# KiCad board rioctrl-controller.kicad_pcb (continued)
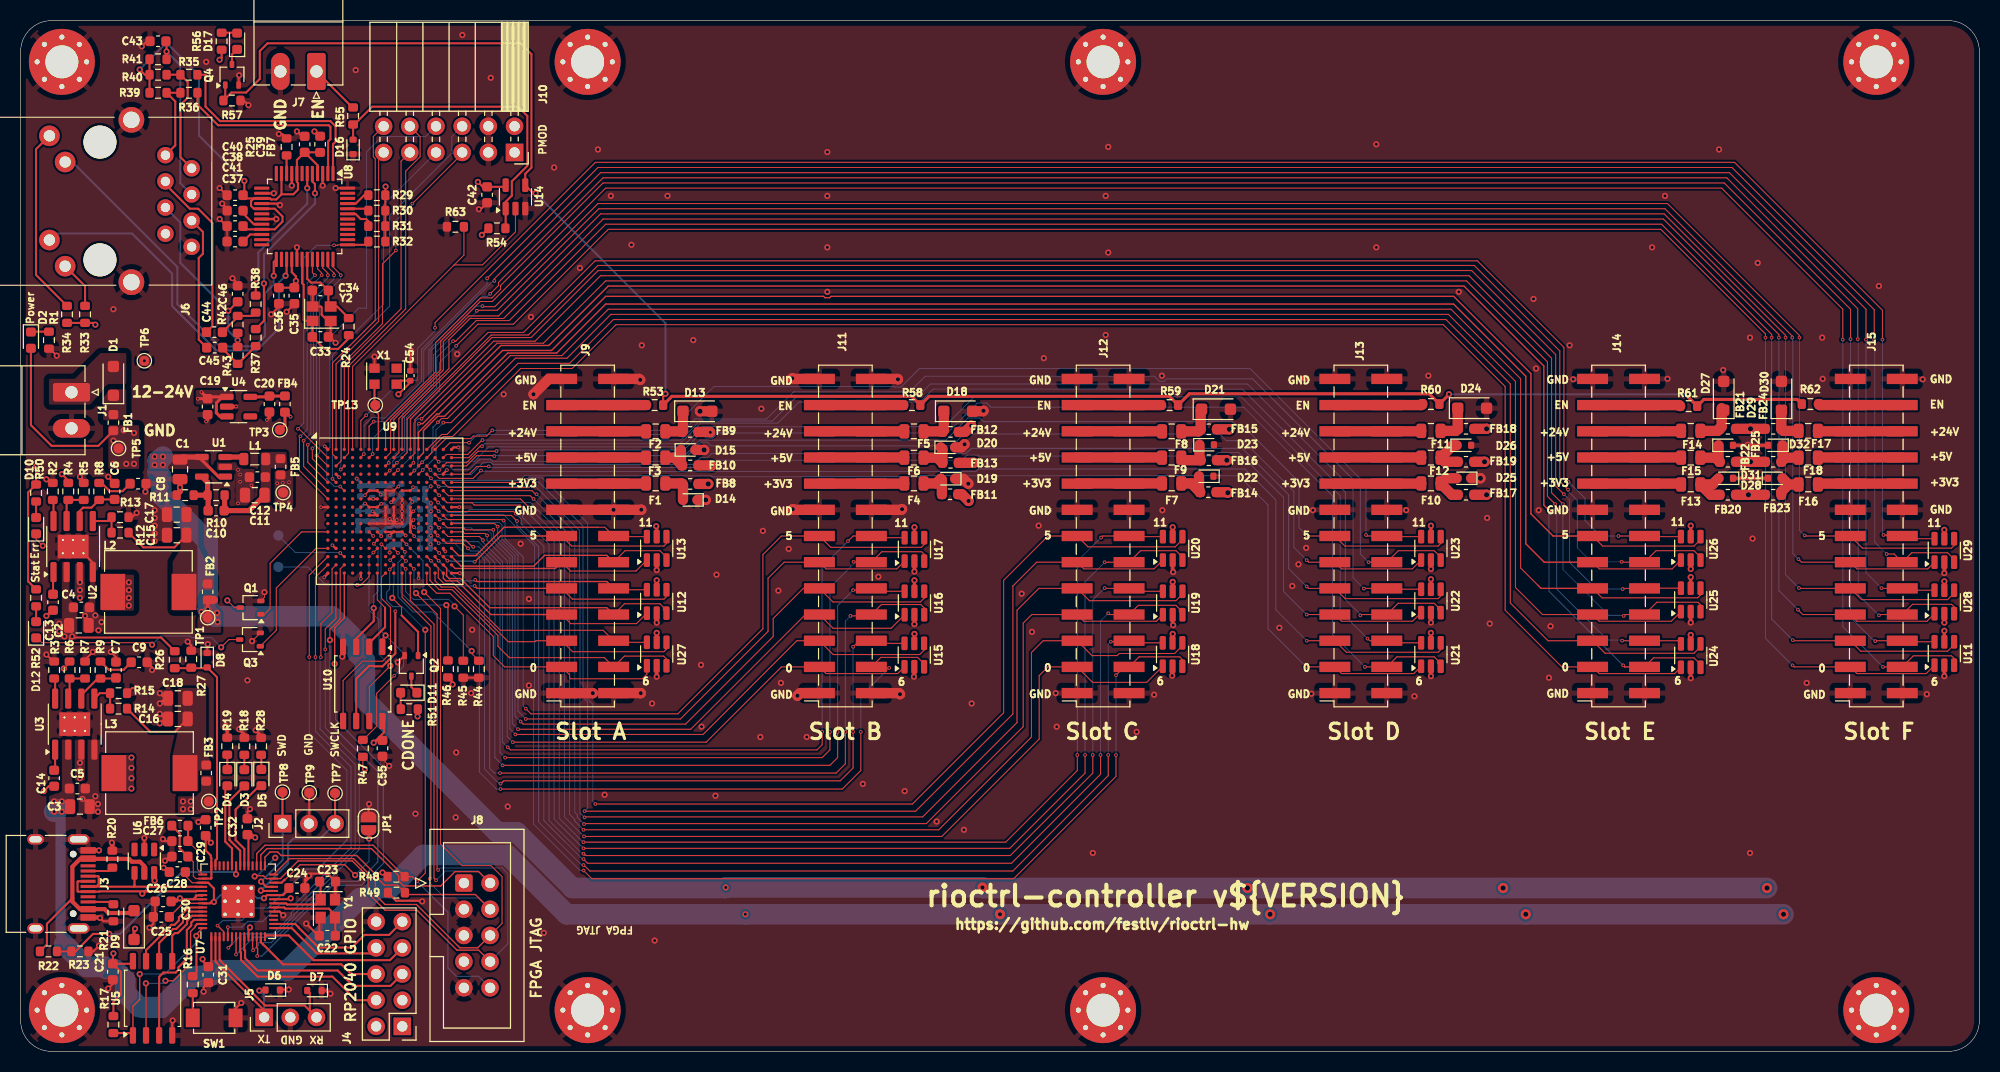
[diagram p0: board, top side]
## Library data of the parts (continued)
R13 = -: Description: Resistor, small symbol; LCSC#: C173754; ki_fp_filters: R_*
R15 = -: Description: Resistor, small symbol; LCSC#: C861839; ki_fp_filters: R_*
R16 R18 R19 R28 = -: Description: Resistor, small symbol; LCSC#: C22548; MPN: RC0603FR-071KL; Manufacturer: Yageo; Notes: 0603 1% resistor; ki_fp_filters: R_*
R17 R47 = -: Description: Resistor, small symbol; Config: DNP; LCSC#: C98220; MPN: RC0603FR-0710KL; Manufacturer: Yageo; Notes: 0603 1% resistor; ki_fp_filters: R_*
R20-R22 R26 = -: Description: Resistor, small symbol; LCSC#: C112314; MPN: RC0603FR-075K11L; Manufacturer: Yageo; ki_fp_filters: R_*
R23 R27 = -: Description: Resistor, small symbol; LCSC#: C98220; MPN: RC0603FR-0710KL; Manufacturer: Yageo; Notes: 0603 1% resistor; ki_fp_filters: R_*
R24 = -: Description: Resistor, small symbol; LCSC#: C107698; ki_fp_filters: R_*
R25 = -: Description: Resistor, small symbol; LCSC#: C22865; ki_fp_filters: R_*
R33 R34 R50-R52 R56 = -: Description: Resistor, small symbol; LCSC#: C105881; ki_fp_filters: R_*
R35-R38 = -: Description: Resistor, small symbol; LCSC#: C95177; ki_fp_filters: R_*
R39 R40 R42 R43 = -: Description: Resistor, small symbol; LCSC#: C114625; ki_fp_filters: R_*
R41 = -: Description: Resistor, small symbol; LCSC#: C109318; ki_fp_filters: R_*
R53 R58-R62 = -: Description: Resistor, small symbol; LCSC#: C105588; ki_fp_filters: R_*
R55 = -: Description: Resistor, small symbol; LCSC#: C22548; ki_fp_filters: R_*
R57 R63 = -: Description: Resistor, small symbol; LCSC#: C99782; ki_fp_filters: R_*
SW1 = -: Description: Normally open tactile pushbutton 3x4mm SMD; MPN: TS-1088-AR02016; Manufacturer: XUNPU; LCSC#: C720477
TP1-TP11 TP13 = -: Description: test point 1mm dia
U1 = -: Datasheet: https://www.lcsc.com/datasheet/lcsc_datasheet_1811061612_Techcode-Semicon-TD6811_C189486.pdf; Description: Step-down 1.2A 2.5V~5.5V 1.5MHz SOT-23-5 DC-DC; Manufacturer: Techcode; LCSC#: C189486
U2 U3 = -: Datasheet: https://www.ti.com/lit/ds/symlink/tps54335a.pdf?ts=1721956091124&ref_url=https%253A%252F%252Fwww.ti.com%252Fproduct%252FTPS54335A%252Fpart-details%252FTPS54335ADDAR%253Fbm-verify%253DAAQAAAAJ_____0OG6ETeAT2aN0fnBCXPurdJzu3vEm8UB7Ut4o0qZxp3dxvr-CwlCN4vYV9GydZWobR7AWUjsZi0q6lWwpUZyIcLbn3tn59HhTFtQGmZ1zr346VnwXqJ8gAq8602JpBv6wPxz_3IMDM4sIHN2UPigsLf1wO55OxekKyZLRhNJtVjCLmuLhI5mmcxyu1en0Bdxu1Nk4lnGtSCOaWIRIBohBidi6oRP8EpPPlUB6ZzjQ2zjJ8P1onKt53dSoWLvfaPOyLn34tNcgqdU8OHr2cVvNz2qta0797Ppsd8wVSfbldnrT-zVwodDxb-aAW7KeQMkv7GJrsA6rIPtVvz9mJB8w4UVd4uvQ; Description: 4.5V to 28V Input, 3A, Synchronous, Step-Down Converter with Eco-mode; Manufacturer: Texas Instruments; LCSC#: C58928
U4 = -: Datasheet: https://www.lcsc.com/datasheet/lcsc_datasheet_2201131200_onsemi-NCP114ASN250T1G_C892030.pdf; Description: 300mA low dropout linear regulator, shutdown pin, 1.5V fixed positive output, SOT-23-5; Manufacturer: Onsemi; LCSC#: C892030; ki_fp_filters: SOT?23*
U5 U10 = -: Datasheet: http://www.winbond.com/resource-files/w25q32jv%20revg%2003272018%20plus.pdf; Description: 16Mb Serial Flash Memory, Standard/Dual/Quad SPI, SOIC-8; MPN: W25Q16JVSSIQ; Manufacturer: Winbond; LCSC#: C82317; ki_fp_filters: SOIC*5.23x5.23mm*P1.27mm*
U6 = -: Datasheet: https://www.st.com/resource/en/datasheet/usblc6-4.pdf; Description: Very low capacitance ESD protection diode, 4 data-line, SOT-23-6; Manufacturer: TECH PUBLIC; LCSC#: C5197386; ki_fp_filters: SOT?23*
U7 = -: Description: ARM Cortex-M0 1@x4ch/12bit USB Host/Device 2 264KB 2 133MHz 30 2 QFN-56(7x7) Microcontroller Units (MCUs/MPUs/SOCs) ROHS; Manufacturer: Raspberry Pi; LCSC#: C2040
U8 = -: Datasheet: http://wizwiki.net/wiki/lib/exe/fetch.php/products:w5500:w5500_ds_v109e.pdf; Description: 10/100Mb SPI Ethernet controller with TCP/IP stack, LQFP-48; LCSC#: C32843; ki_fp_filters: LQFP*7x7mm*P0.5mm*
U9 = -: MPN: LFE5U-12F-6BG256C; Manufacturer: Lattice; LCSC#: C1550762
U11-U13 U15-U29 = -: Datasheet: https://www.lcsc.com/datasheet/lcsc_datasheet_2311091738_UMW-Youtai-Semiconductor-Co---Ltd--SRV05-4-TCT_C2687126.pdf; Description: ESD Protection Diodes with Low Clamping Voltage, SOT-23-6; MPN: SRV05-4.TCT; Manufacturer: UMW(Youtai Semiconductor Co., Ltd.); LCSC#: C2687126; ki_fp_filters: SOT?23*
U14 = -: Description: Single logic buffer, SOT-23, OE; MPN: SN74LVC1G125DBVR; Manufacturer: Texas Instruments; LCSC#: C23654; ki_fp_filters: SOT?23*
X1 = -: Datasheet: https://www.lcsc.com/datasheet/lcsc_datasheet_2407310922_YXC-Crystal-Oscillators-OT322525MJBA4SL_C669088.pdf; Description: 1.8V~3.3V ±10ppm 5mA ±20ppm CMOS 25MHz SMD3225-4P Crystal Oscillators ROHS; MPN: OT322525MJBA4SL; Manufacturer: YXC Crystal Oscillators; LCSC#: C669088; ki_fp_filters: Oscillator*SMD*EuroQuartz*XO32*3.2x2.5mm*
Y1 = -: Description: 12MHz SMD Resonator 10pF 120Ω ±10ppm ±30ppm SMD2520-4P Crystals ROHS; MPN: TXM12M0004252DBCEO00T; Manufacturer: TAE(Zhejiang Abel Elec); LCSC#: C284154; ki_fp_filters: Crystal*
Y2 = -: Description: 25MHz SMD crystal oscillator 10pF ±10ppm ±30ppm SMD2520-4P Crystals ROHS; MPN: TXM25M0004252DBCEO00T; Manufacturer: Yajingxin; LCSC#: C284164; ki_fp_filters: Crystal*

## Footprints (pads in the part's own frame, mm; a bottom-side part is the same pattern mirrored in y, then rotated)
BGA-256_14.0x14.0mm_Layout16x16_P0.8mm_Ball0.45mm_Pad0.32mm_NSMD
  round 0.32 smd: A1(-6,6) A2(-5.2,6) A3(-4.4,6) A4(-3.6,6) A5(-2.8,6) A6(-2,6) A7(-1.2,6) A8(-0.4,6) A9(0.4,6) A10(1.2,6) A11(2,6) A12(2.8,6) A13(3.6,6) A14(4.4,6) A15(5.2,6) A16(6,6) B1(-6,5.2) B2(-5.2,5.2) B3(-4.4,5.2) B4(-3.6,5.2) B5(-2.8,5.2) B6(-2,5.2) B7(-1.2,5.2) B8(-0.4,5.2) B9(0.4,5.2) B10(1.2,5.2) B11(2,5.2) B12(2.8,5.2) B13(3.6,5.2) B14(4.4,5.2) B15(5.2,5.2) B16(6,5.2) C1(-6,4.4) C2(-5.2,4.4) C3(-4.4,4.4) C4(-3.6,4.4) C5(-2.8,4.4) C6(-2,4.4) C7(-1.2,4.4) C8(-0.4,4.4) C9(0.4,4.4) C10(1.2,4.4) C11(2,4.4) C12(2.8,4.4) C13(3.6,4.4) C14(4.4,4.4) C15(5.2,4.4) C16(6,4.4) D1(-6,3.6) D2(-5.2,3.6) D3(-4.4,3.6) D4(-3.6,3.6) D5(-2.8,3.6) D6(-2,3.6) D7(-1.2,3.6) D8(-0.4,3.6) D9(0.4,3.6) D10(1.2,3.6) D11(2,3.6) D12(2.8,3.6) D13(3.6,3.6) D14(4.4,3.6) D15(5.2,3.6) D16(6,3.6) E1(-6,2.8) E2(-5.2,2.8) E3(-4.4,2.8) E4(-3.6,2.8) E5(-2.8,2.8) E6(-2,2.8) E7(-1.2,2.8) E8(-0.4,2.8) E9(0.4,2.8) E10(1.2,2.8) E11(2,2.8) E12(2.8,2.8) E13(3.6,2.8) E14(4.4,2.8) E15(5.2,2.8) E16(6,2.8) F1(-6,2) F2(-5.2,2) F3(-4.4,2) F4(-3.6,2) F5(-2.8,2) F6(-2,2) F7(-1.2,2) F8(-0.4,2) F9(0.4,2) F10(1.2,2) F11(2,2) F12(2.8,2) F13(3.6,2) F14(4.4,2) F15(5.2,2) F16(6,2) G1(-6,1.2) G2(-5.2,1.2) G3(-4.4,1.2) G4(-3.6,1.2) G5(-2.8,1.2) G6(-2,1.2) G7(-1.2,1.2) G8(-0.4,1.2) G9(0.4,1.2) G10(1.2,1.2) G11(2,1.2) G12(2.8,1.2) G13(3.6,1.2) G14(4.4,1.2) G15(5.2,1.2) G16(6,1.2) H1(-6,0.4) H2(-5.2,0.4) H3(-4.4,0.4) H4(-3.6,0.4) H5(-2.8,0.4) H6(-2,0.4) H7(-1.2,0.4) H8(-0.4,0.4) H9(0.4,0.4) H10(1.2,0.4) H11(2,0.4) H12(2.8,0.4) H13(3.6,0.4) H14(4.4,0.4) H15(5.2,0.4) H16(6,0.4) J1(-6,-0.4) J2(-5.2,-0.4) J3(-4.4,-0.4) J4(-3.6,-0.4) J5(-2.8,-0.4) J6(-2,-0.4) J7(-1.2,-0.4) J8(-0.4,-0.4) J9(0.4,-0.4) J10(1.2,-0.4) J11(2,-0.4) J12(2.8,-0.4) J13(3.6,-0.4) J14(4.4,-0.4) J15(5.2,-0.4) J16(6,-0.4) K1(-6,-1.2) K2(-5.2,-1.2) K3(-4.4,-1.2) K4(-3.6,-1.2) K5(-2.8,-1.2) K6(-2,-1.2) K7(-1.2,-1.2) K8(-0.4,-1.2) K9(0.4,-1.2) K10(1.2,-1.2) K11(2,-1.2) K12(2.8,-1.2) K13(3.6,-1.2) K14(4.4,-1.2) K15(5.2,-1.2) K16(6,-1.2) L1(-6,-2) L2(-5.2,-2) L3(-4.4,-2) L4(-3.6,-2) L5(-2.8,-2) L6(-2,-2) L7(-1.2,-2) L8(-0.4,-2) L9(0.4,-2) L10(1.2,-2) L11(2,-2) L12(2.8,-2) L13(3.6,-2) L14(4.4,-2) L15(5.2,-2) L16(6,-2) M1(-6,-2.8) M2(-5.2,-2.8) M3(-4.4,-2.8) M4(-3.6,-2.8) M5(-2.8,-2.8) M6(-2,-2.8) M7(-1.2,-2.8) M8(-0.4,-2.8) M9(0.4,-2.8) M10(1.2,-2.8) M11(2,-2.8) M12(2.8,-2.8) M13(3.6,-2.8) M14(4.4,-2.8) M15(5.2,-2.8) M16(6,-2.8) N1(-6,-3.6) N2(-5.2,-3.6) N3(-4.4,-3.6) N4(-3.6,-3.6) N5(-2.8,-3.6) N6(-2,-3.6) N7(-1.2,-3.6) N8(-0.4,-3.6) N9(0.4,-3.6) N10(1.2,-3.6) N11(2,-3.6) N12(2.8,-3.6) N13(3.6,-3.6) N14(4.4,-3.6) N15(5.2,-3.6) N16(6,-3.6) P1(-6,-4.4) P2(-5.2,-4.4) P3(-4.4,-4.4) P4(-3.6,-4.4) P5(-2.8,-4.4) P6(-2,-4.4) P7(-1.2,-4.4) P8(-0.4,-4.4) P9(0.4,-4.4) P10(1.2,-4.4) P11(2,-4.4) P12(2.8,-4.4) P13(3.6,-4.4) P14(4.4,-4.4) P15(5.2,-4.4) P16(6,-4.4) R1(-6,-5.2) R2(-5.2,-5.2) R3(-4.4,-5.2) R4(-3.6,-5.2) R5(-2.8,-5.2) R6(-2,-5.2) R7(-1.2,-5.2) R8(-0.4,-5.2) R9(0.4,-5.2) R10(1.2,-5.2) R11(2,-5.2) R12(2.8,-5.2) R13(3.6,-5.2) R14(4.4,-5.2) R15(5.2,-5.2) R16(6,-5.2) T1(-6,-6) T2(-5.2,-6) T3(-4.4,-6) T4(-3.6,-6) T5(-2.8,-6) T6(-2,-6) T7(-1.2,-6) T8(-0.4,-6) T9(0.4,-6) T10(1.2,-6) T11(2,-6) T12(2.8,-6) T13(3.6,-6) T14(4.4,-6) T15(5.2,-6) T16(6,-6)
C_0402_1005Metric
  rrect 0.56x0.62 smd: 1(-0.48,0) 2(0.48,0)
C_0603_1608Metric
  rrect 0.9x0.95 smd: 1(-0.775,0) 2(0.775,0)
C_0805_2012Metric
  rrect 1x1.45 smd: 1(-0.95,0) 2(0.95,0)
Crystal_SMD_2520-4Pin_2.5x2.0mm
  rect 1.15x1 smd: 1(-0.875,-0.7) 2(0.875,-0.7) 3(0.875,0.7) 4(-0.875,0.7)
D_SOD-123F
  rrect 1.1x1.1 smd: 1(-1.4,0) 2(1.4,0)
D_SOD-523
  rrect 0.6x0.7 smd: 1(-0.7,0) 2(0.7,0)
Fuse_0805_2012Metric
  rrect 0.975x1.4 smd: 1(-0.938,0) 2(0.938,0)
IDC-Header_2x05_P2.54mm_Vertical
  rrect 1.7x1.7 hole 1: 1(0,0)
  round 1.7 hole 1: 2(2.54,0) 3(0,-2.54) 4(2.54,-2.54) 5(0,-5.08) 6(2.54,-5.08) 7(0,-7.62) 8(2.54,-7.62) 9(0,-10.16) 10(2.54,-10.16)
L_0603_1608Metric
  rrect 0.875x0.95 smd: 1(-0.787,0) 2(0.787,0)
L_0805_2012Metric
  rrect 0.875x1.2 smd: 1(-1.062,0) 2(1.062,0)
LED_0603_1608Metric
  rrect 0.875x0.95 smd: 1(-0.787,0) 2(0.787,0)
LQFP-48_7x7mm_P0.5mm
  rrect 1.475x0.3 smd: 1(-4.162,2.75) 2(-4.162,2.25) 3(-4.162,1.75) 4(-4.162,1.25) 5(-4.162,0.75) 6(-4.162,0.25) 7(-4.162,-0.25) 8(-4.162,-0.75) 9(-4.162,-1.25) 10(-4.162,-1.75) 11(-4.162,-2.25) 12(-4.162,-2.75) 25(4.162,-2.75) 26(4.162,-2.25) 27(4.162,-1.75) 28(4.162,-1.25) 29(4.162,-0.75) 30(4.162,-0.25) 31(4.162,0.25) 32(4.162,0.75) 33(4.162,1.25) 34(4.162,1.75) 35(4.162,2.25) 36(4.162,2.75)
  rrect 0.3x1.475 smd: 13(-2.75,-4.162) 14(-2.25,-4.162) 15(-1.75,-4.162) 16(-1.25,-4.162) 17(-0.75,-4.162) 18(-0.25,-4.162) 19(0.25,-4.162) 20(0.75,-4.162) 21(1.25,-4.162) 22(1.75,-4.162) 23(2.25,-4.162) 24(2.75,-4.162) 37(2.75,4.162) 38(2.25,4.162) 39(1.75,4.162) 40(1.25,4.162) 41(0.75,4.162) 42(0.25,4.162) 43(-0.25,4.162) 44(-0.75,4.162) 45(-1.25,4.162) 46(-1.75,4.162) 47(-2.25,4.162) 48(-2.75,4.162)
MountingHole_3.2mm_M3_Pad_Via
  round 0.8 hole 0.5: 1(-2.4,0) 1(-1.697,1.697) 1(-1.697,-1.697) 1(0,2.4) 1(0,-2.4) 1(1.697,1.697) 1(1.697,-1.697) 1(2.4,0)
  round 6.4 hole 3.2: 1(0,0)
Oscillator_SMD_EuroQuartz_XO32-4Pin_3.2x2.5mm
  rect 0.9x1 smd: 1(-0.775,1.075) 2(-0.775,-1.075) 3(0.775,-1.075) 4(0.775,1.075)
PhoenixContact_MC_1,5_2-G-3.5_1x02_P3.50mm_Horizontal
  rrect 1.8x3.6 hole 1.2: 1(0,0)
  oval 1.8x3.6 hole 1.2: 2(3.5,0)
PinHeader_1x03_P2.54mm_Vertical
  rect 1.7x1.7 hole 1: 1(0,0)
  oval 1.7x1.7 hole 1: 2(0,-2.54) 3(0,-5.08)
PinHeader_2x05_P2.54mm_Vertical
  rect 1.7x1.7 hole 1: 1(0,0)
  oval 1.7x1.7 hole 1: 2(2.54,0) 3(0,-2.54) 4(2.54,-2.54) 5(0,-5.08) 6(2.54,-5.08) 7(0,-7.62) 8(2.54,-7.62) 9(0,-10.16) 10(2.54,-10.16)
PinSocket_2x06_P2.54mm_Horizontal
  rect 1.7x1.7 hole 1: 1(0,0)
  oval 1.7x1.7 hole 1: 2(-2.54,0) 3(0,-2.54) 4(-2.54,-2.54) 5(0,-5.08) 6(-2.54,-5.08) 7(0,-7.62) 8(-2.54,-7.62) 9(0,-10.16) 10(-2.54,-10.16) 11(0,-12.7) 12(-2.54,-12.7)
PinSocket_2x13_P2.54mm_Vertical_SMD
  rect 3x1 smd: 1(2.52,15.24) 2(-2.52,15.24) 3(2.52,12.7) 4(-2.52,12.7) 5(2.52,10.16) 6(-2.52,10.16) 7(2.52,7.62) 8(-2.52,7.62) 9(2.52,5.08) 10(-2.52,5.08) 11(2.52,2.54) 12(-2.52,2.54) 13(2.52,0) 14(-2.52,0) 15(2.52,-2.54) 16(-2.52,-2.54) 17(2.52,-5.08) 18(-2.52,-5.08) 19(2.52,-7.62) 20(-2.52,-7.62) 21(2.52,-10.16) 22(-2.52,-10.16) 23(2.52,-12.7) 24(-2.52,-12.7) 25(2.52,-15.24) 26(-2.52,-15.24)
R_0603_1608Metric
  rrect 0.8x0.95 smd: 1(-0.825,0) 2(0.825,0)
RJ45_J0011D21BNL
  round 3.2 hole 3.2 unplated: (-10.16,6.35) (1.27,6.35)
  round 1.6 hole 0.9: 1(0,0) 2(-1.27,-2.54) 3(-2.54,0) 4(-3.81,-2.54) 5(-5.08,0) 6(-6.35,-2.54) 7(-7.62,0) 8(-8.89,-2.54)
  round 2.5 hole 1.6: 8(-12.319,3.302) 8(3.429,3.302)
  round 2 hole 1.1: 9(1.88,11.252) 10(-0.66,9.728) 11(-8.23,11.252) 12(-10.77,9.728)
RP2040-QFN-56
  rrect 1.084x1.084 smd: (-0.637,0.637) (-0.637,-0.637) (0.637,0.637) (0.637,-0.637)
  rrect 0.875x0.2 smd: 1(-3.438,2.6) 2(-3.438,2.2) 3(-3.438,1.8) 4(-3.438,1.4) 5(-3.438,1) 6(-3.438,0.6) 7(-3.438,0.2) 8(-3.438,-0.2) 9(-3.438,-0.6) 10(-3.438,-1) 11(-3.438,-1.4) 12(-3.438,-1.8) 13(-3.438,-2.2) 14(-3.438,-2.6) 29(3.438,-2.6) 30(3.438,-2.2) 31(3.438,-1.8) 32(3.438,-1.4) 33(3.438,-1) 34(3.438,-0.6) 35(3.438,-0.2) 36(3.438,0.2) 37(3.438,0.6) 38(3.438,1) 39(3.438,1.4) 40(3.438,1.8) 41(3.438,2.2) 42(3.438,2.6)
  rrect 0.2x0.875 smd: 15(-2.6,-3.438) 16(-2.2,-3.438) 17(-1.8,-3.438) 18(-1.4,-3.438) 19(-1,-3.438) 20(-0.6,-3.438) 21(-0.2,-3.438) 22(0.2,-3.438) 23(0.6,-3.438) 24(1,-3.438) 25(1.4,-3.438) 26(1.8,-3.438) 27(2.2,-3.438) 28(2.6,-3.438) 43(2.6,3.438) 44(2.2,3.438) 45(1.8,3.438) 46(1.4,3.438) 47(1,3.438) 48(0.6,3.438) 49(0.2,3.438) 50(-0.2,3.438) 51(-0.6,3.438) 52(-1,3.438) 53(-1.4,3.438) 54(-1.8,3.438) 55(-2.2,3.438) 56(-2.6,3.438)
  round 0.6 hole 0.35: 57(-1.275,1.275) 57(-1.275,0) 57(-1.275,-1.275) 57(0,1.275) 57(0,0) 57(0,-1.275) 57(1.275,1.275) 57(1.275,0) 57(1.275,-1.275)
  rrect 3.2x3.2 smd: 57(0,0)
SMD_INDUCTOR_8x8.5x5mm
  rect 2.4x3.5 smd: 1(-3.45,0) 2(3.45,0)
SOIC-8-1EP_3.9x4.9mm_P1.27mm_EP2.29x3mm_ThermalVias
  rrect 0.96x1.25 smd: (-0.57,0.75) (-0.57,-0.75) (0.57,0.75) (0.57,-0.75)
  rrect 1.95x0.6 smd: 1(-2.475,1.905) 2(-2.475,0.635) 3(-2.475,-0.635) 4(-2.475,-1.905) 5(2.475,-1.905) 6(2.475,-0.635) 7(2.475,0.635) 8(2.475,1.905)
  round 0.5 hole 0.2: 9(-0.65,1) 9(-0.65,0) 9(-0.65,-1) 9(0.65,1) 9(0.65,0) 9(0.65,-1)
  rect 1.8x2.5 smd far side: 9(0,0)
  rect 2.29x3 smd: 9(0,0)
SOIC-8_5.23x5.23mm_P1.27mm
  rrect 1.6x0.6 smd: 1(-3.6,1.905) 2(-3.6,0.635) 3(-3.6,-0.635) 4(-3.6,-1.905) 5(3.6,-1.905) 6(3.6,-0.635) 7(3.6,0.635) 8(3.6,1.905)
SolderJumper-2_P1.3mm_Open_RoundedPad1.0x1.5mm
  custom 1x1.5 smd: 1(-0.65,0) 2(0.65,0)
SOT-23-5
  rrect 1.325x0.6 smd: 1(-1.137,0.95) 2(-1.137,0) 3(-1.137,-0.95) 4(1.137,-0.95) 5(1.137,0.95)
SOT-23-6
  rrect 1.325x0.6 smd: 1(-1.137,0.95) 2(-1.137,0) 3(-1.137,-0.95) 4(1.137,-0.95) 5(1.137,0) 6(1.137,0.95)
SOT-323_SC-70
  rrect 0.7x0.45 smd: 1(-1,0.65) 2(-1,-0.65) 3(1,0)
SW_SPST_AR02016
  rect 1.35x1.8 smd: 1(-2.075,0) 2(2.075,0)
TestPoint_Pad_D1.0mm
  round 1 smd: 1(0,0)
USB_C_Receptacle_HRO_TYPE-C-31-M-12
  round 0.65 hole 0.65 unplated: (-2.89,2.6) (2.89,2.6)
  rect 0.6x1.45 smd: A1(-3.25,4.045) A4(-2.45,4.045) A9(2.45,4.045) A12(3.25,4.045) B1(3.25,4.045) B4(2.45,4.045) B9(-2.45,4.045) B12(-3.25,4.045)
  rect 0.3x1.45 smd: A5(-1.25,4.045) A6(-0.25,4.045) A7(0.25,4.045) A8(1.25,4.045) B5(1.75,4.045) B6(0.75,4.045) B7(-0.75,4.045) B8(-1.75,4.045)
  oval 1x2.1 hole 0.6x1.7: S1(-4.32,3.13) S1(4.32,3.13)
  oval 1x1.6 hole 0.6x1.2: S1(-4.32,-1.05) S1(4.32,-1.05)

## Nets
+1V1: C47.1 C48.1 C49.1 C50.1 FB5.2 TP4.1 U9.G6 U9.G7 U9.G9 U9.L8 U9.L9 U9.L10
+2V5: C51.1 C52.1 FB4.2 TP3.1 U9.G11 U9.L7
+3V3: C19.2 C21.1 C28.1 C29.1 C30.1 C31.1 C32.1 C35.1 C36.1 C42.2 C53.1 C54.1 C55.1 C56.1 C57.1 C58.1 C59.1 C60.1 C61.1 C62.1 C63.1 C64.1 C65.1 C66.1 C67.1 FB3.2 FB6.1 FB7.1 FB8.1 FB11.1 FB14.1 FB17.1 FB20.1 FB23.1 J4.1 J8.1 J10.1 J10.2 R17.2 R29.1 R30.1 R31.1 R32.1 R33.2 R34.2 R46.1 R47.2 R48.1 R50.1 R51.1 R52.1 R54.1 R56.1 TP2.1 U4.1 U4.3 U5.8 U7.1 U7.10 U7.22 U7.33 U7.42 U7.44 U7.48 U7.49 U8.28 U9.F6 U9.F7 U9.F10 U9.F11 U9.H6 U9.H7 U9.H11 U9.J6 U9.J7 U9.J11 U9.K11 U9.L6 U9.L11 U10.8 U11.5 U12.5 U13.5 U14.5 U15.5 U16.5 U17.5 U18.5 U19.5 U20.5 U21.5 U22.5 U23.5 U24.5 U25.5 U26.5 U27.5 U28.5 U29.5 X1.4
+5V: C1.1 D9.1 FB2.2 FB10.2 FB13.2 FB16.2 FB19.2 FB22.2 FB25.2 TP1.1 U1.1 U1.4
+24V: C2.1 C3.1 C4.1 C5.1 D2.2 FB1.2 FB9.1 FB12.1 FB15.1 FB18.1 FB21.1 FB24.1 R4.1 R6.1 R26.2 TP5.1 U2.2 U3.2
/RP2040 JTAG/1V1_RP2040: C24.1 C25.1 C26.1 U7.23 U7.45 U7.50
/RP2040 JTAG/VBUS_SENSE: R22.1 R23.1 U7.36
/RP2040 JTAG/VIN_SENSE: D8.2 R26.1 R27.1 U7.41
/W5500 interface/3V3_ADD: C39.1 C40.1 C41.1 FB7.2 R39.1 R40.1 R41.1 U8.4 U8.8 U8.11 U8.15 U8.17 U8.21
GND: C1.2 C2.2 C3.2 C4.2 C5.2 C6.2 C7.2 C8.2 C9.2 C11.2 C12.2 C15.2 C16.2 C17.2 C18.2 C19.1 C20.1 C21.2 C22.1 C23.1 C24.2 C25.2 C26.2 C27.2 C28.2 C29.2 C30.2 C31.2 C32.2 C33.1 C34.2 C35.2 C36.2 C37.2 C38.2 C39.2 C40.2 C41.2 C42.1 C43.2 C46.2 C47.2 C48.2 C49.2 C50.2 C51.2 C52.2 C53.2 C54.2 C55.2 C56.2 C57.2 C58.2 C59.2 C60.2 C61.2 C62.2 C63.2 C64.2 C65.2 C66.2 C67.2 D6.1 D7.1 D8.1 D13.2 D14.1 D15.2 D16.1 D18.2 D19.1 D20.2 D21.2 D22.1 D23.2 D24.2 D25.1 D26.2 D27.2 D28.1 D29.2 D30.2 D31.1 D32.2 H1.1 H2.1 H3.1 H4.1 H5.1 H6.1 H7.1 H8.1 J1.2 J2.2 J3.A1 J3.A12 J3.B1 J3.B12 J3.S1 J4.10 J5.2 J6.8 J7.2 J8.3 J8.5 J8.9 J9.1 J9.2 J9.15 J9.16 J9.25 J9.26 J10.3 J10.4 J11.1 J11.2 J11.15 J11.16 J11.25 J11.26 J12.1 J12.2 J12.15 J12.16 J12.25 J12.26 J13.1 J13.2 J13.15 J13.16 J13.25 J13.26 J14.1 J14.2 J14.15 J14.16 J14.25 J14.26 J15.1 J15.2 J15.15 J15.16 J15.25 J15.26 JP1.1 Q1.2 Q2.2 Q3.2 Q4.2 R1.2 R2.2 R3.2 R5.2 R7.2 R11.2 R13.2 R15.2 R18.2 R19.2 R20.1 R21.2 R23.2 R25.2 R27.2 R28.2 R44.2 R45.2 R49.2 R57.1 R63.1 SW1.1 TP6.1 TP9.1 U1.2 U2.4 U2.9 U3.4 U3.9 U4.2 U5.4 U6.2 U7.19 U7.57 U8.3 U8.9 U8.14 U8.16 U8.19 U8.29 U8.48 U9.A1 U9.A16 U9.D2 U9.D15 U9.F8 U9.F9 U9.G8 U9.G10 U9.H1 U9.H8 U9.H9 U9.H10 U9.H16 U9.J8 U9.J9 U9.J10 U9.K6 U9.K7 U9.K8 U9.K9 U9.K10 U9.N2 U9.N15 U9.T1 U9.T5 U9.T12 U9.T16 U10.4 U11.2 U12.2 U13.2 U14.3 U15.2 U16.2 U17.2 U18.2 U19.2 U20.2 U21.2 U22.2 U23.2 U24.2 U25.2 U26.2 U27.2 U28.2 U29.2 X1.2 Y1.2 Y1.4 Y2.2 Y2.4
VBUS: D9.2 J3.A4 J3.A9 J3.B4 J3.B9 R22.2 U6.5
/FPGA/CFG_1: R46.2 U9.P10
/FPGA/CFG_2: R45.1 U9.R10
/FPGA/DONE: Q2.1 U9.P9
/FPGA/FLASH_CLK: U9.N9 U10.6
/FPGA/FLASH_CS: R47.1 U9.N8 U10.1
/FPGA/FLASH_DI: U9.T8 U10.5
/FPGA/FLASH_DO: U9.T7 U10.2
/FPGA/FLASH_IO2: U9.M7 U10.3
/FPGA/FLASH_IO3: U9.N7 U10.7
/FPGA/FPGA_P3: TP10.1 U9.P3
/FPGA/FPGA_T6: TP11.1 U9.T6
/FPGA/FPGASlotEN: R63.2 U9.A4 U14.2
/FPGA/LED_ERR: Q1.1 U9.L1
/FPGA/LED_OK: Q3.1 U9.N1
/FPGA/MCLK: TP13.1 U9.A7 X1.3
/FPGA/PMOD_P1: J10.11 U9.A2
/FPGA/PMOD_P2: J10.9 U9.A3
/FPGA/PMOD_P3: J10.7 U9.E2
/FPGA/PMOD_P4: J10.5 U9.C2
/FPGA/PMOD_P7: J10.12 U9.B2
/FPGA/PMOD_P8: J10.10 U9.B3
/FPGA/PMOD_P9: J10.8 U9.F3
/FPGA/PMOD_P10: J10.6 U9.C3
/FPGA/SA0: J9.3 U9.T13 U27.1
/FPGA/SA1: J9.5 U9.T14 U27.4
/FPGA/SA2: J9.7 U9.T15 U12.1
/FPGA/SA3: J9.9 U9.P13 U12.4
/FPGA/SA4: J9.11 U9.R16 U13.1
/FPGA/SA5: J9.13 U9.P15 U13.4
/FPGA/SA6: J9.4 U9.R13 U27.3
/FPGA/SA7: J9.6 U9.R14 U27.6
/FPGA/SA8: J9.8 U9.R15 U12.3
/FPGA/SA9: J9.10 U9.P14 U12.6
/FPGA/SA10: J9.12 U9.P16 U13.3
/FPGA/SA11: J9.14 U9.N16 U13.6
/FPGA/SB0: J11.3 U9.L16 U15.1
/FPGA/SB1: J11.5 U9.K14 U15.4
/FPGA/SB2: J11.7 U9.K15 U16.1
/FPGA/SB3: J11.9 U9.K16 U16.4
/FPGA/SB4: J11.11 U9.J14 U17.1
/FPGA/SB5: J11.13 U9.J15 U17.4
/FPGA/SB6: J11.4 U9.N14 U15.3
/FPGA/SB7: J11.6 U9.M14 U15.6
/FPGA/SB8: J11.8 U9.M15 U16.3
/FPGA/SB9: J11.10 U9.M16 U16.6
/FPGA/SB10: J11.12 U9.L14 U17.3
/FPGA/SB11: J11.14 U9.L15 U17.6
/FPGA/SC0: J12.3 U9.F14 U18.1
/FPGA/SC1: J12.5 U9.F15 U18.4
/FPGA/SC2: J12.7 U9.F16 U19.1
/FPGA/SC3: J12.9 U9.E14 U19.4
/FPGA/SC4: J12.11 U9.E15 U20.1
/FPGA/SC5: J12.13 U9.E16 U20.4
/FPGA/SC6: J12.4 U9.H14 U18.3
/FPGA/SC7: J12.6 U9.J16 U18.6
/FPGA/SC8: J12.8 U9.H15 U19.3
/FPGA/SC9: J12.10 U9.G14 U19.6
/FPGA/SC10: J12.12 U9.G15 U20.3
/FPGA/SC11: J12.14 U9.G16 U20.6
/FPGA/SD0: J13.3 U9.D13 U21.1
/FPGA/SD1: J13.5 U9.D14 U21.4
/FPGA/SD2: J13.7 U9.D16 U22.1
/FPGA/SD3: J13.9 U9.C13 U22.4
/FPGA/SD4: J13.11 U9.C14 U23.1
/FPGA/SD5: J13.13 U9.C16 U23.4
/FPGA/SD6: J13.4 U9.C15 U21.3
/FPGA/SD7: J13.6 U9.B14 U21.6
/FPGA/SD8: J13.8 U9.B16 U22.3
/FPGA/SD9: J13.10 U9.B15 U22.6
/FPGA/SD10: J13.12 U9.A15 U23.3
/FPGA/SD11: J13.14 U9.A14 U23.6
/FPGA/SE0: J14.3 U9.B13 U24.1
/FPGA/SE1: J14.5 U9.A13 U24.4
/FPGA/SE2: J14.7 U9.D12 U25.1
/FPGA/SE3: J14.9 U9.C12 U25.4
/FPGA/SE4: J14.11 U9.B12 U26.1
/FPGA/SE5: J14.13 U9.A12 U26.4
/FPGA/SE6: J14.4 U9.D11 U24.3
/FPGA/SE7: J14.6 U9.C11 U24.6
/FPGA/SE8: J14.8 U9.B11 U25.3
/FPGA/SE9: J14.10 U9.A11 U25.6
/FPGA/SE10: J14.12 U9.B10 U26.3
/FPGA/SE11: J14.14 U9.A10 U26.6
/FPGA/SF0: J15.3 U9.D9 U11.1
/FPGA/SF1: J15.5 U9.C9 U11.4
/FPGA/SF2: J15.7 U9.B9 U28.1
/FPGA/SF3: J15.9 U9.A9 U28.4
/FPGA/SF4: J15.11 U9.D8 U29.1
/FPGA/SF5: J15.13 U9.C8 U29.4
/FPGA/SF6: J15.4 U9.B8 U11.3
/FPGA/SF7: J15.6 U9.A8 U11.6
/FPGA/SF8: J15.8 U9.B6 U28.3
/FPGA/SF9: J15.10 U9.A6 U28.6
/FPGA/SF10: J15.12 U9.B5 U29.3
/FPGA/SF11: J15.14 U9.A5 U29.6
/FPGA/SPI.CLK: U7.4 U9.P1
/FPGA/SPI.CS: U7.7 U9.T2
/FPGA/SPI.MISO: U7.6 U9.R2
/FPGA/SPI.MOSI: U7.5 U9.R1
/FPGA/W5500.MISO: U8.34 U9.E1
/FPGA/W5500.MOSI: U8.35 U9.D1
/FPGA/W5500.nINT: U8.36 U9.C1
/FPGA/W5500.nRST: R32.2 U8.37 U9.B1
/FPGA/W5500.nSCS: U8.32 U9.G1
/FPGA/W5500.SCLK: U8.33 U9.F1
/RP2040 JTAG/DBG_UART_RX: D7.2 J5.3 U7.3
/RP2040 JTAG/DBG_UART_TX: D6.2 J5.1 U7.2
/RP2040 JTAG/FLASH_CLK: U5.6 U7.52
/RP2040 JTAG/FLASH_CS: R16.1 R17.1 U5.1 U7.56
/RP2040 JTAG/GPIO6: J4.4 U7.8
/RP2040 JTAG/GPIO7: J4.5 U7.9
/RP2040 JTAG/GPIO10: J4.6 U7.13
/RP2040 JTAG/GPIO11: J4.7 U7.14
/RP2040 JTAG/GPIO12: J4.8 U7.15
/RP2040 JTAG/GPIO13: J4.9 U7.16
/RP2040 JTAG/JTAG.RST: J8.10 R48.2 U7.31 U9.R9
/RP2040 JTAG/JTAG.RX: U7.12 U9.T3
/RP2040 JTAG/JTAG.TCK: J8.4 R49.1 U7.29 U9.T10
/RP2040 JTAG/JTAG.TDI: J8.8 U7.27 U9.R11
/RP2040 JTAG/JTAG.TDO: J8.6 U7.28 U9.M10
/RP2040 JTAG/JTAG.TMS: J8.2 U7.30 U9.T11
/RP2040 JTAG/JTAG.TRST: U7.32
/RP2040 JTAG/JTAG.TX: U7.11 U9.R3
/RP2040 JTAG/LED_BLUE: D5.2 U7.34
/RP2040 JTAG/LED_GRN: D3.2 U7.35
/RP2040 JTAG/LED_RED: D4.2 U7.37
/RP2040 JTAG/SWCLK: J2.3 TP7.1 U7.24
/RP2040 JTAG/SWD: J2.1 TP8.1 U7.25
/RP2040 JTAG/USB_D_N: J3.A7 J3.B7 U6.4 U7.46
/RP2040 JTAG/USB_D_P: J3.A6 J3.B6 U6.6 U7.47
/SlotEN: Q4.1 R53.1 R57.2 R58.1 R59.1 R60.1 R61.1 R62.1 U14.4
/W5500 interface/LED_GRN: J6.10 U8.25
/W5500 interface/LED_YEL: J6.11 U8.27
Net-(C8-Pad1): C8.1 R8.2
Net-(C9-Pad1): C9.1 R9.2
Net-(C10-Pad1): C10.1 C11.1 C12.1 FB5.1 L1.2 R10.1
Net-(C15-Pad1): C15.1 C17.1 FB2.1 L2.2 R12.1
Net-(C16-Pad1): C16.1 C18.1 FB3.1 L3.2 R14.1
Net-(C44-Pad1): C44.1 R38.2 R42.1
Net-(C45-Pad1): C45.1 R37.2 R43.1
Net-(D1-A): D1.2 J1.1
Net-(D1-K): D1.1 FB1.1
Net-(D2-K): D2.1 R1.1
Net-(D3-K): D3.1 R18.1
Net-(D4-K): D4.1 R19.1
Net-(D5-K): D5.1 R28.1
Net-(D10-A): D10.2 R50.2
Net-(D10-K): D10.1 Q1.3
Net-(D11-A): D11.2 R51.2
Net-(D11-K): D11.1 Q2.3
Net-(D12-A): D12.2 R52.2
Net-(D12-K): D12.1 Q3.3
Net-(D13-A1): D13.1 F2.1 FB9.2
Net-(D14-A2): D14.2 F1.1 FB8.2
Net-(D15-A1): D15.1 F3.2 FB10.1
Net-(D16-A2): D16.2 R54.2 R55.2 U14.1
Net-(D17-A): D17.2 R56.2
Net-(D17-K): D17.1 Q4.3
Net-(D18-A1): D18.1 F5.1 FB12.2
Net-(D19-A2): D19.2 F4.1 FB11.2
Net-(D20-A1): D20.1 F6.2 FB13.1
Net-(D21-A1): D21.1 F8.1 FB15.2
Net-(D22-A2): D22.2 F7.1 FB14.2
Net-(D23-A1): D23.1 F9.2 FB16.1
Net-(D24-A1): D24.1 F11.1 FB18.2
Net-(D25-A2): D25.2 F10.1 FB17.2
Net-(D26-A1): D26.1 F12.2 FB19.1
Net-(D27-A1): D27.1 F14.1 FB21.2
Net-(D28-A2): D28.2 F13.1 FB20.2
Net-(D29-A1): D29.1 F15.2 FB22.1
Net-(D30-A1): D30.1 F17.1 FB24.2
Net-(D31-A2): D31.2 F16.1 FB23.2
Net-(D32-A1): D32.1 F18.2 FB25.1
Net-(J3-CC1): J3.A5 R20.2
Net-(J3-CC2): J3.B5 R21.1
Net-(J6-Pad9): J6.9 R34.1
Net-(J6-Pad12): J6.12 R33.1
Net-(J6-RCT): C46.1 J6.5 R42.2 R43.2
Net-(J6-RD+): C44.2 J6.3
Net-(J6-RD-): C45.2 J6.6
Net-(J6-TCT): C43.1 J6.4 R41.2
Net-(J6-TD+): J6.1 R36.2 R39.2
Net-(J6-TD-): J6.2 R35.2 R40.2
Net-(J7-Pin_1): J7.1 R55.1
Net-(J9-Pin_17): F1.2 J9.17 J9.18
Net-(J9-Pin_19): F3.1 J9.19 J9.20
Net-(J9-Pin_21): F2.2 J9.21 J9.22
Net-(J9-Pin_23): J9.23 J9.24 R53.2
Net-(J11-Pin_17): F4.2 J11.17 J11.18
Net-(J11-Pin_19): F6.1 J11.19 J11.20
Net-(J11-Pin_21): F5.2 J11.21 J11.22
Net-(J11-Pin_23): J11.23 J11.24 R58.2
Net-(J12-Pin_17): F7.2 J12.17 J12.18
Net-(J12-Pin_19): F9.1 J12.19 J12.20
Net-(J12-Pin_21): F8.2 J12.21 J12.22
Net-(J12-Pin_23): J12.23 J12.24 R59.2
Net-(J13-Pin_17): F10.2 J13.17 J13.18
Net-(J13-Pin_19): F12.1 J13.19 J13.20
Net-(J13-Pin_21): F11.2 J13.21 J13.22
Net-(J13-Pin_23): J13.23 J13.24 R60.2
Net-(J14-Pin_17): F13.2 J14.17 J14.18
Net-(J14-Pin_19): F15.1 J14.19 J14.20
Net-(J14-Pin_21): F14.2 J14.21 J14.22
Net-(J14-Pin_23): J14.23 J14.24 R61.2
Net-(J15-Pin_17): F16.2 J15.17 J15.18
Net-(J15-Pin_19): F18.1 J15.19 J15.20
Net-(J15-Pin_21): F17.2 J15.21 J15.22
Net-(J15-Pin_23): J15.23 J15.24 R62.2
Net-(JP1-B): JP1.2 U7.26
Net-(SW1-A): R16.2 SW1.2
Net-(U1-FB): C10.2 R10.2 R11.1 U1.5
Net-(U1-SW): L1.1 U1.3
Net-(U2-BOOT): C13.1 U2.1
Net-(U2-COMP): C6.1 R8.1 U2.6
Net-(U2-EN): R4.2 R5.1 U2.7
Net-(U2-PH): C13.2 L2.1 U2.3
Net-(U2-RT): R2.1 U2.8
Net-(U2-VSENSE): R12.2 R13.1 U2.5
Net-(U3-BOOT): C14.1 U3.1
Net-(U3-COMP): C7.1 R9.1 U3.6
Net-(U3-EN): R6.2 R7.1 U3.7
Net-(U3-PH): C14.2 L3.1 U3.3
Net-(U3-RT): R3.1 U3.8
Net-(U3-VSENSE): R14.2 R15.1 U3.5
Net-(U4-OUT): C20.2 FB4.1 U4.5
Net-(U5-DI(IO0)): U5.5 U7.53
Net-(U5-DO(IO1)): U5.2 U7.55
Net-(U5-IO2): U5.3 U7.54
Net-(U5-IO3): U5.7 U7.51
Net-(U7-ADC_AVDD): C27.1 FB6.2 U7.43
Net-(U7-XIN): C22.2 U7.20 Y1.3
Net-(U7-XOUT): C23.2 U7.21 Y1.1
Net-(U8-1V2O): C37.1 U8.22
Net-(U8-EXRES1): R25.1 U8.10
Net-(U8-PMODE0): R29.2 U8.45
Net-(U8-PMODE1): R30.2 U8.44
Net-(U8-PMODE2): R31.2 U8.43
Net-(U8-RXN): R37.1 U8.5
Net-(U8-RXP): R38.1 U8.6
Net-(U8-TOCAP): C38.1 U8.20
Net-(U8-TXN): R35.1 U8.1
Net-(U8-TXP): R36.1 U8.2
Net-(U8-XI/CLKIN): C33.2 R24.1 U8.30 Y2.1
Net-(U8-XO): C34.1 R24.2 U8.31 Y2.3
Net-(U9H-CFG_0): R44.1 U9.N10

Pads without a net: J3 A8 B8; J4 2 3; J6 7; J8 7; U4 4; U6 1 3; U7 17 18 38 39 40; U8 7 12 13 18 23 24 26 38 39 40 41 42 46 47; U9 B4 B7 C4 C5 C6 C7 C10 D3 D4 D5 D6 D7 D10 E3 E4 E5 E6 E7 E8 E9 E10 E11 E12 E13 F2 F4 F5 F12 F13 G2 G3 G4 G5 G12 G13 H2 H3 H4 H5 H12 H13 J1 J2 J3 J4 J5 J12 J13 K1 K2 K3 K4 K5 K12 K13 L2 L3 L4 L5 L12 L13 M1 M2 M3 M4 M5 M6 M8 M9 M11 M12 M13 N3 N4 N5 N6 N11 N12 N13 P2 P4 P5 P6 P7 P8 P11 P12 R4 R5 R6 R7 R8 R12 T4 T9; X1 1

## Via types
v1: diameter 0.6, hole 0.3, Top to Bottom, 344 vias
v2: diameter 1, hole 0.4, Top to Bottom, 20 vias
v3: diameter 1, hole 0.5, Top to Bottom, 20 vias
v4: diameter 0.35, hole 0.2, Top to Bottom, 267 vias

## Routing (per net, layer and track width the routed paths; a pad name or vN(x,y) marks a point on that pad's centre or on a via; arc(x,y) is an arc through that point)
+1V1: length 24.3
  Top w0.127: v4(37.35,50.05) U9.L10
  Top w0.2: U9.G6 v4(34.2,53.6) U9.G7 ; U9.L9 36.15,50.4 v4(35.8,50.05) ; U9.G9 36.2,53.53 v4(35.94,53.27) ; U9.L10 U9.L8
  In2.Cu w0.3: v4(37.35,50.05) v4(35.8,50.05) 35.28,50.58 35.28,52.6 v4(35.94,53.27) 35.75,53.46 35.75,54.5 35.7,54.55 34.71,54.55 34.2,54.04 v4(34.2,53.6) 34.2,54 33.72,54.48 33.18,54.48 32.4,53.7
  In2.Cu w0.5: 32.4,53.7 26.47,53.7 v4(26.04,53.26)
  Bottom w0.1: 34.1,53.7 v4(34.2,53.6)
  Bottom w0.3: v4(35.8,50.05) 35.8,49.98 C50.1 ; C47.1 34.1,53.7 ; v4(35.94,53.27) 36.22,53.27 36.95,54 C48.1 ; C49.1 37.27,50.13 v4(37.35,50.05)
  vias: v4(24.89,55.11) v4(25.04,53.26) v4(25.44,55.16) v4(26.04,55.21)
+2V5: length 29
  Top w0.1: v4(37.99,53.3) 37.99,53.41 U9.G11 ; U9.L7 34.98,50.02 v4(34.98,49.98)
  Top w0.3: v4(26.19,61.56) 25.74,62.01 FB4.2 25.64,60.8 TP3.1
  In2.Cu w0.3: v4(26.19,61.56) 32.93,61.56 37.65,56.84 37.65,55.9 38.65,54.9 38.65,53.96 v4(37.99,53.3)
  Bottom w0.1: v4(37.99,53.3) 38.24,53.55 C52.1
  Bottom w0.3: C51.1 33.83,50.7 34.6,50.7 34.98,50.32 v4(34.98,49.98) 34.98,50.33 35.47,50.82 35.96,50.82 36.09,50.95 37.14,50.95 37.58,51.38 37.58,52.89 v4(37.99,53.3)
+3V3: length 133.2
  Top w0.1: U7.44 16.99,16.76 16.75,17 16.75,18.38 16.22,18.9 ; v4(38.15,50.85) U9.K11 ; v4(38.18,49.98) 38.18,50.02 U9.L11 ; v4(38.07,54.74) 38.07,54.67 U9.F11 ; v4(34.92,54.02) 34.92,54.08 ; R48.1 35.5,16.95 v1(35.1,17.35) ; U9.L6 v4(34.2,50) ; v4(34.97,53.12) 34.92,53.12 ; v4(33.4,53.15) 33.45,53.15 ; v4(33.4,53.96) 33.4,54 ; R47.2 33.2,27.6 v1(33.4,27.4)
  Top w0.127: 33.45,53.15 U9.H6 ; 34.92,53.12 U9.H7 ; 34.92,54.08 U9.F7 ; 33.4,54 U9.F6
  Top w0.2: U14.5 46.89,83.88 C42.2 44.83,83.88 v1(44.35,84.35) ; R34.2 R33.2 7.08,70.67 v1(7.25,70.5) ; U7.22 26.11,14.76 v1(26.2,14.85) ; v1(38.5,32.5) 38.53,32.53 R51.1 ; U10.8 35.27,31.88 35.27,30.97 v1(34.25,29.95) 34.47,30.17 C55.1 ; C35.1 26.55,74.6 v1(26.7,74.75) ; C35.1 26.7,74.24 26.7,75.2 26.3,75.6 U8.28 ; C35.1 C36.1 ; v1(28.5,89.25) 28.96,88.79 FB7.1 ; v1(18.45,20.25) 17.95,20.75 C29.1 17.95,19.5 18.45,19 18.45,18.8 18.5,18.75 U7.42 18.5,16.82 18.51,16.81 18.46,16.76 U7.44 ; R17.2 9,4.8 9.72,5.53 9.72,7.72 C21.1 ; U9.J6 U9.J7 34.55,52 v4(34.15,52.4) ; R32.1 R29.1 35.38,83.88 v1(35.4,83.9) ; U9.K11 37.8,51.25 v4(38.1,51.55) ; U9.K11 U9.J11 ; U9.K11 U9.L11 ; U9.J11 37.8,52.1 v4(38.1,52.4) ; U9.J11 U9.H11 ; v1(44.74,79.21) R54.1 ; R56.1 19.5,96.4 v1(19.3,96.2) ; v1(9,9.5) 8.95,9.45 C21.1 ; U7.33 22.1,20.92 C32.1 22.47,21.03 v1(22.75,20.75) ; v1(17.65,8.95) 17.65,8.78 C31.1 18.5,8.53 U7.1 ; U5.8 10.64,8.5 C21.1 ; 16.22,18.9 15.42,19.7 15.42,21.14 FB6.1 ; 41.45,36.28 41.9,35.83 v1(41.9,35.6) ; U7.10 22.1,11.88 v1(22.24,12.02) ; 16.75,14.76 14.81,14.76 C30.1 15.15,14.55 v1(15.45,14.85) ; 16.75,14.76 U7.49 ; 16.75,14.76 17,15.01 17,15.12 17.62,15.12 U7.48 ; X1.4 36.82,65.07 C54.1 37.8,64.9 v1(36.65,63.75) ; v1(1.5,56.75) R50.1 0.73,54.22 0.73,45.6 R52.1 ; U9.F11 U9.F10 ; U9.H7 U9.H6 ; U9.F7 U9.F6
  Top w0.3: U27.5 v1(61.7,40.6) ; U17.5 v1(86.7,50.85) ; U23.5 v1(136.8,51) ; U12.5 v1(61.7,45.7) ; U22.5 v1(136.8,45.8) ; v4(17.54,63.96) 18.14,63.36 C19.2 ; U11.5 v1(186.6,40.8) ; v1(111.75,40.5) 111.74,40.49 U18.5 ; U29.5 v1(186.6,50.6) ; U20.5 v1(111.75,50.85) ; U21.5 v1(136.8,40.6) ; C19.2 17.2,63.33 v4(17.19,63.31) ; C19.2 18.31,63.5 U4.1 19.58,63.5 18.99,62.91 18.99,61.95 19.34,61.6 U4.3 ; U28.5 v1(186.6,45.6) ; U16.5 v1(86.7,45.7) ; U19.5 v1(111.75,45.55) ; v1(86.7,40.5) 86.69,40.49 U15.5 ; v1(61.65,50.95) 61.7,50.9 U13.5 ; U26.5 v1(162,51) ; U24.5 v1(162,40.4) ; U25.5 v1(162,46)
  Top w1: FB8.1 v3(66.7,55.05) ; FB20.1 v3(167.6,54) FB23.1 ; v3(117.1,54.2) 117.05,54.25 FB14.1 ; v2(91.95,53.4) 91.3,54.05 FB11.1 ; FB17.1 v3(142.2,54)
  Bottom w0.1: C59.1 C58.1 34.99,54.09 v4(34.92,54.02) ; C61.1 38.3,50.7 v4(38.15,50.85) ; v4(33.4,53.96) 33.04,53.96 C53.1 ; v4(38.1,52.4) 38.3,52.6 C63.1 ; v4(38.18,49.98) 38.41,49.75 C64.1 C65.1 ; v4(38.1,51.55) 38.2,51.65 C60.1 ; C62.1 v4(38.07,54.74) ; C67.1 32.75,52.5
  Bottom w0.2: C66.1 35.57,52.4 C56.1 v4(34.15,52.4) C57.1 33.69,52.41 C67.1
  Bottom w0.3: C66.1 35.58,52.82 35.28,53.12 v4(34.97,53.12) ; 32.75,52.5 v4(33.4,53.15)
  vias: v1(15.75,24.25) v1(15.75,23.5) v1(16.5,24.25) v1(16.5,23.5)
